# Altium PCB Bran_Main_Assay_PCB_v2_20170828.pcbdoc (part 5 of 5)
Units mm, origin at the board's own origin, x right, y up, seen from the top; angles counter-clockwise.
Board outline 91.65 x 48.25 mm, 6 copper layers (TOP, GND1, Singal, POWER, GND2, BOTTOM), stack 0.8 mm thick; 367 components, 288 nets, 1408 pads, 967 vias.
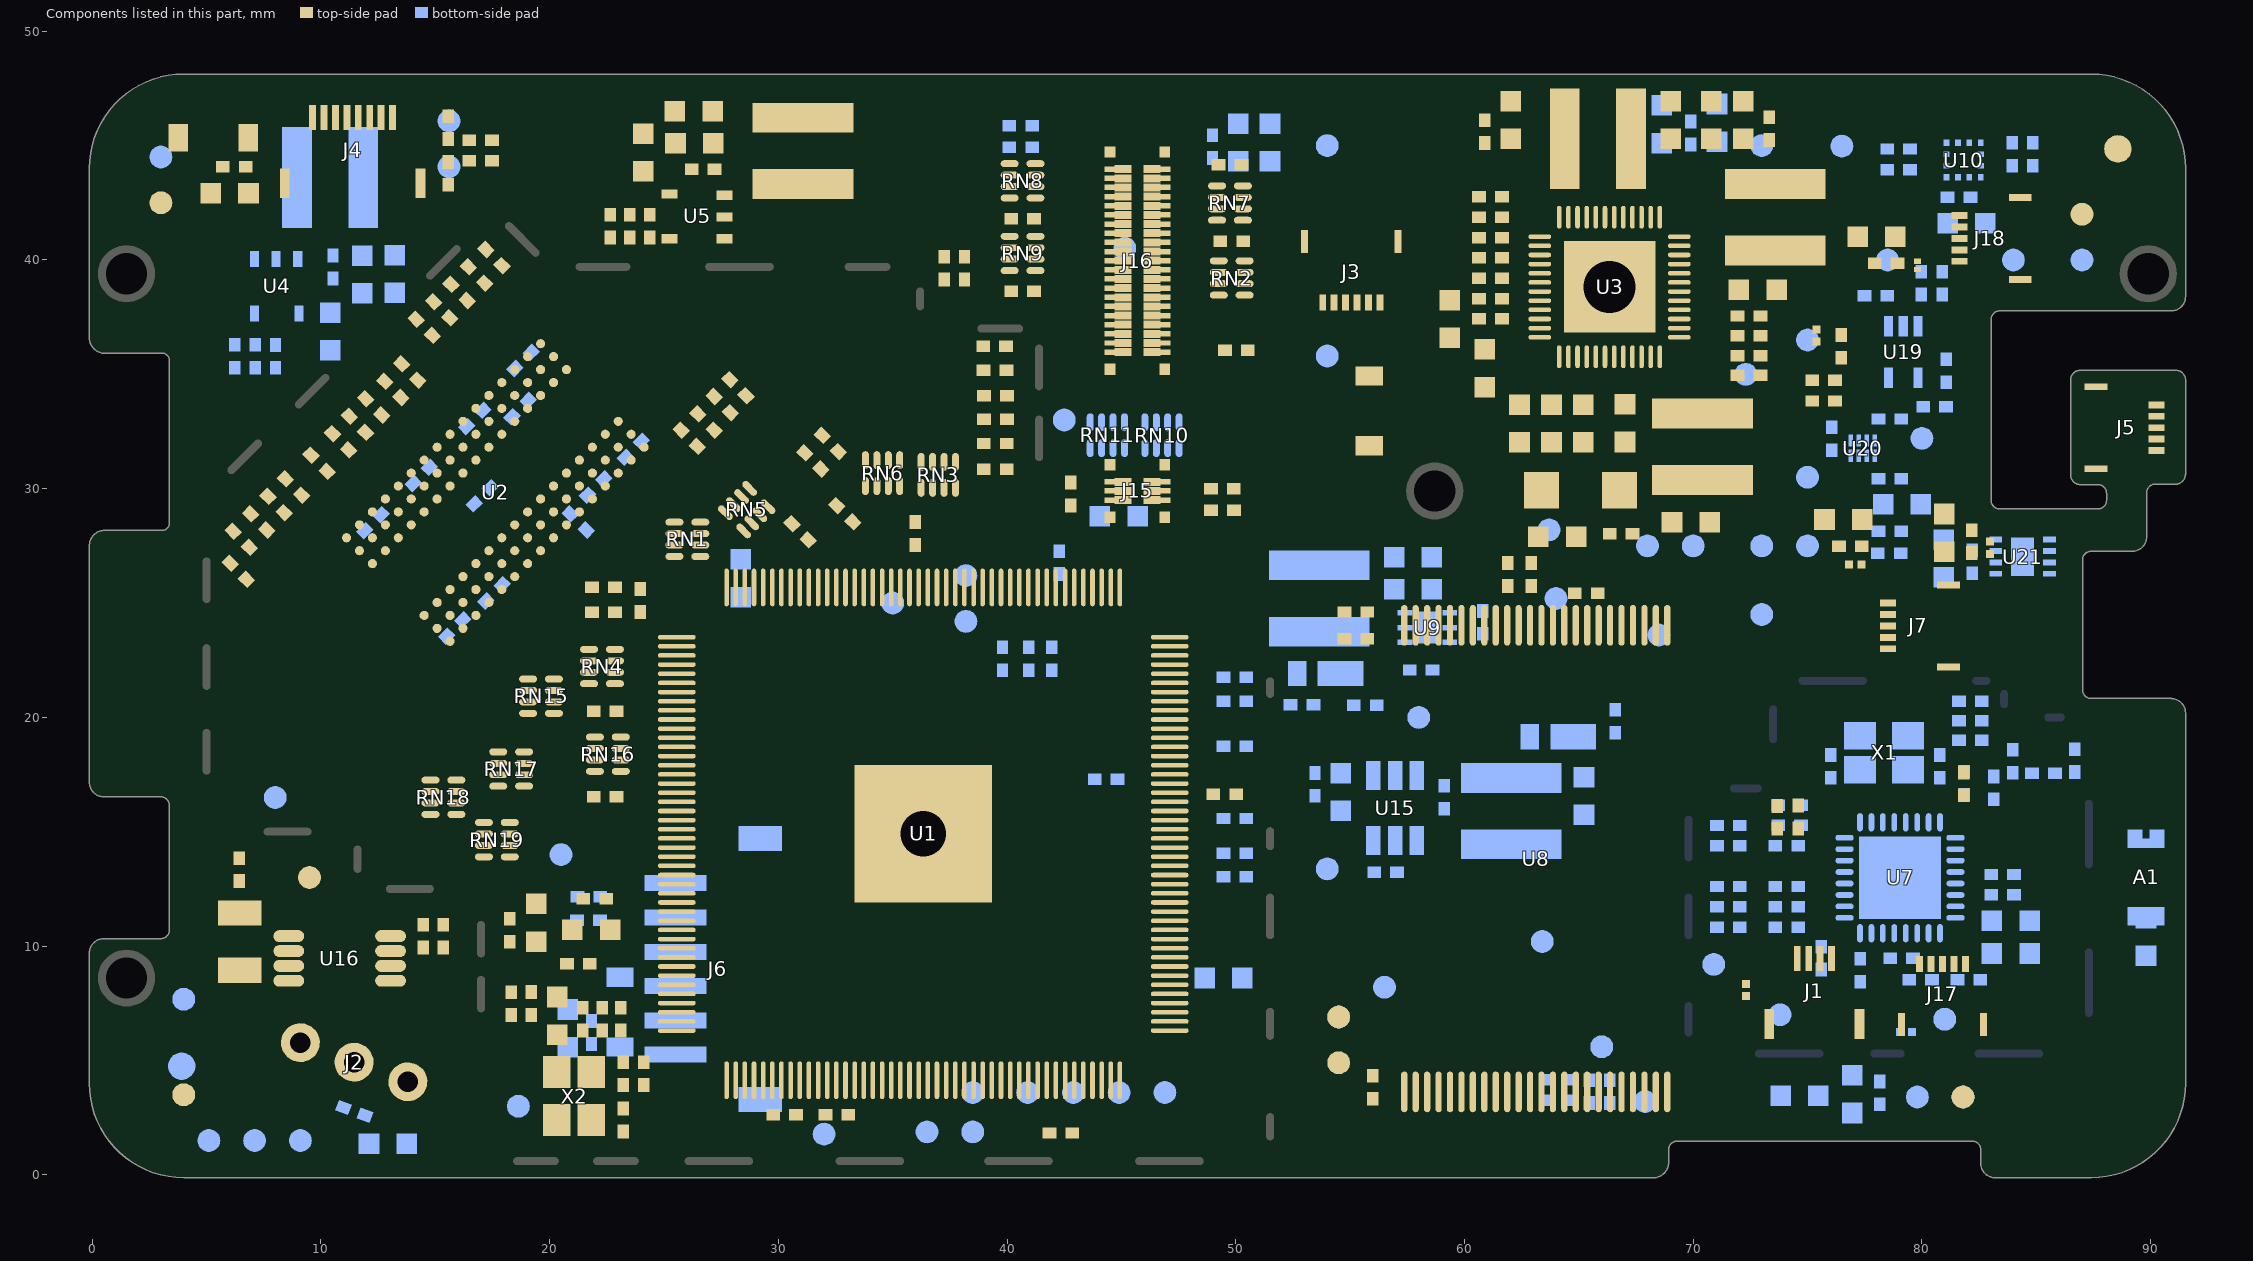
[diagram p9: the components of this part, seen from the top]

## Polygon pours and split planes (outlines as drawn) (continued)
BAT on POWER "Bottom Layer-No Net" (solid, remove dead copper, pour order 55): 53.814,18.186 54.347,18.186 54.398,18.186 54.88,17.704 58.513,14.071 59.579,14.071 61.815,14.071 62.983,15.24 63.262,15.519 63.262,17.754 63.262,20.294 63.288,20.32 63.313,20.345 63.72,20.345 64.71,20.345 64.761,20.294 64.659,20.193 64.659,13.995 64.659,13.944 63.288,12.573 63.11,12.751 57.039,12.751 57.039,14.706 53.61,18.135
BAT on POWER "Bottom Layer-No Net" (solid, pour order 59): 66.615,13.487 66.869,13.741 66.869,14.478 66.869,32.105 66.869,32.131 66.615,32.131 66.437,32.131 66.437,13.436 66.412,13.411
CORE-VDD on POWER "Bottom Layer-No Net" (solid, remove dead copper, pour order 61): 36.364,21.59 39.564,21.59 39.564,19.913 39.59,19.888 42.612,19.888 44.619,19.888 45.025,20.294 45.762,21.031 45.762,24.358 45.762,24.511 45.711,24.562 47.921,24.562 51.578,24.562 53.814,26.797 53.839,26.822 53.839,31.089 53.839,31.521 56.303,33.985 57.42,35.103 57.42,41.656 57.42,43.434 59.046,43.434 59.046,32.867 57.801,31.623 56.658,30.48 56.658,25.654 56.658,25.501 54.88,23.723 53.687,22.53 49.953,22.53 48.861,22.53 48.861,21.691 47.489,20.32 45.406,18.237 36.338,18.237
CORE-VDD on POWER "Bottom Layer-No Net" (solid, remove dead copper, pour order 63): 57.065,34.722 57.065,43.332 57.344,43.612 57.37,43.637 58.919,43.637 59.021,43.637 59.046,43.662
CORE-VDD on POWER "Bottom Layer-No Net" (solid, remove dead copper, pour order 67): 57.065,43.058 57.065,43.637 58.436,43.637 58.462,43.612 58.462,41.935 57.065,41.935
CORE-VDD on POWER "Bottom Layer-No Net" (solid, remove dead copper, pour order 69): 59.021,42.189 59.402,42.189 59.402,32.944 58.055,31.597 56.862,30.404 56.862,28.194 56.862,25.197 55.236,23.571 53.89,22.225 49.521,22.225 49.496,22.225 48.048,20.777 47.21,19.939 47.006,19.939 47.006,22.911 47.235,23.139 47.692,23.596 52.01,23.596 53.229,23.596 55.388,25.755 56.608,26.975 56.608,32.207 56.608,32.232 58.538,34.163 58.589,34.214 58.589,41.935
CORE-VDD on POWER "Bottom Layer-No Net" (solid, remove dead copper, pour order 73): 47.819,22.885 53.941,22.885 54.068,22.758 54.118,22.707 54.322,22.707 54.322,22.657 53.89,22.225 53.509,21.844 50.689,21.844 50.258,21.844 48.784,20.371 48.378,19.964 47.184,19.964 47.184,22.555 47.311,22.682 47.514,22.885 53.966,22.885
CPU-VDD on POWER "Bottom Layer-No Net" (solid, remove dead copper, pour order 75): 75.581,44.551 64.634,44.551 63.872,45.313 63.796,45.39 62.17,45.39 57.598,45.39 56.785,44.577 56.735,44.526 56.735,43.764 56.735,40.995 56.1,40.36 55.236,39.497 55.236,35.814 55.236,33.604 54.449,32.817 53.382,31.75 53.382,29.667 53.382,28.143 50.258,25.019 50.207,24.968 44.289,24.968 44.162,24.968 44.162,21.92 44.162,20.244 43.908,19.99 43.882,20.015 40.682,20.015 40.352,20.015 39.971,20.015 39.971,21.971 37.913,21.971 37.913,28.499 40.428,31.013 41.876,32.461 47.184,32.461 49.572,32.461 52.696,35.585 52.798,35.687 52.798,41.427 52.798,41.884 54.779,43.866 54.982,44.069 54.982,46.863 54.982,47.142 60.621,47.142 75.683,47.142 75.683,46.279 75.683,47.041 75.785,47.142 75.81,47.117 75.81,45.085 75.81,44.551
CPU-VDD on POWER "Bottom Layer-No Net" (solid, pour order 77): 52.798,41.529 52.163,41.529 52.163,39.065 52.163,36.296 50.486,34.62 49.597,33.731 41.952,33.731 41.926,33.731 41.901,33.706 41.901,31.851 51.045,31.851 51.578,32.385 53.534,34.341 53.534,35.509 53.534,41.249 53.61,41.326
CORE-VDD on POWER "Bottom Layer-No Net" (solid, pour order 79): 20.895,10.744 31.792,10.744 31.817,10.769 31.817,15.951 31.817,18.948 31.792,18.974 38.116,18.974 38.116,21.615 38.066,21.564 36.313,21.564 36.313,23.165 36.338,23.19 36.338,23.419 28.845,23.419 28.82,23.444 28.82,22.58 28.82,14.3 28.82,14.021 20.921,14.021
HPVCC on POWER "Bottom-No Net" (solid, remove dead copper, pour order 591): 78.041,46.482 78.092,46.431 86.194,46.431 86.194,43.106 86.2,43.1 81.006,43.1 81,43.094 81.013,43.081 81.013,41 78.087,41 78.041,41.046
GND on POWER "Bottom-No Net" (solid, remove dead copper, pour order 601): -3,50 90.5,50 92.1,48.4 92.1,2.1 88.8,-1.2 -2.5,-1.2 -4.7,1
GND on GND1 "Bottom-No Net" (solid, remove dead copper, pour order 595): -1.7,50.1 90.8,50.1 91.4,49.5 91.4,-0.7 90.6,-1.5 -0.7,-1.5 -3.1,0.9
GND on Singal "Bottom-No Net" (solid, remove dead copper, pour order 597): -1.1,49.5 89,49.5 92,46.5 92,0.5 90.8,-0.7 0.6,-0.7 -1.5,1.4
GND on GND2 "Bottom-No Net" (solid, remove dead copper, pour order 603): -1.9,49.6 90.7,49.6 92.9,47.4 92.9,1.9 89.9,-1.1 -0.4,-1.1 -3.4,1.9

## Keep-outs
Keep-Out Layer:
  lines w0.254: 0.499,16.656 3,16.656 cw(c2.987,16.142) 3.5,16.129 ; 0.499,16.66 cw(c0.499,17.158) 0,17.158 0,27.55 cw(c0.55,27.5) 0.6,28.05 3.1,28.05 ccw(c3.05,28.5) 3.5,28.55 3.5,35.55 ccw(c3.05,35.6) 3.1,36.05 0.6,36.05 cw(c0.55,36.6) 0,36.55 0,44 cw(c4,44) 4,48 87.4,48 cw(c87.4,44) 91.4,44 91.4,38.4 cw(c90.9,38.4) 90.9,37.9 83.4,37.9 ccw(c83.4,37.4) 82.9,37.4 82.9,29.49 ccw(c83.4,29.49) 83.4,28.99 87.7,28.99 ccw(c87.7,29.49) 88.2,29.49 88.2,29.8 ccw(c87.699,29.801) 87.7,30.302 86.975,30.302 ; 3.5,16.156 3.5,10.7 cw(c3,10.7) 3,10.2 0.527,10.2 ccw(c0.513,9.687) 0,9.7 0,4 ccw(c4,4) 4,0 68.2,0 ccw(c68.25,0.55) 68.8,0.5 68.8,1.1 cw(c69.3,1.1) 69.3,1.6 82.2,1.6 cw(c82.2,1.1) 82.7,1.1 82.7,0.5 ccw(c83.2,0.5) 83.2,0 87.4,0 ccw(c87.4,4) 91.4,4 91.4,20.2 ; 86.626,30.607 ccw(c86.926,30.607) 86.926,30.307 ; 86.627,30.632 86.627,34.752 cw(c86.927,34.752) 86.927,35.052 91.053,35.052 ; 90.9,20.698 cw(c90.9,20.198) 91.4,20.198 ; 90.9,20.7 87.4,20.7 cw(c87.4,21.2) 86.9,21.2 86.9,26.9 cw(c87.395,26.895) 87.4,27.39 89.2,27.39 ccw(c89.2,27.89) 89.7,27.89 89.7,29.8 cw(c90.214,29.814) 90.2,30.328 91.147,30.328 ; 91.097,30.328 ccw(c91.097,30.628) 91.397,30.628 ; 91.1,35.052 cw(c91.1,34.752) 91.4,34.752 91.4,30.632

## Other copper
TOP:
  rectangle net GND: 79.297,38.826 79.475,39.349
  rectangle net N497492: 66.978,42.629 67.743,44.534
  rectangle net DCIN-5V: 62.116,37.458 62.471,37.712
  rectangle net IPSOUT: 70.32,38.83 71.844,39.338
  rectangle net HPVCC: 47.434,43.917 48.552,44.907
  rectangle net HPVCC: 45.961,43.84 48.552,44.323
  rectangle net DCIN-5V: 55.058,34.366 56.582,35.128
  rectangle net IPSOUT: 66.768,34.036 67.123,35.255
  rectangle net GND: 83.793,38.938 85.063,42.901
  rectangle net GND: 79.374,38.826 79.958,39.7
  pour cut-out: 92.277,26.695 92.277,30.556 85.216,30.556 85.139,30.632 84.53,30.023 84.53,28.981 84.581,28.931 86.384,28.931 86.384,26.67
  pour cut-out: 92.277,26.681 92.277,30.542 85.216,30.542 85.139,30.618 84.53,30.009 84.53,28.967 84.581,28.916 86.384,28.916 86.384,26.656
  pour cut-out: 81.677,38.811 81.677,28.702 84.776,28.702 84.776,37.058 84.725,37.109 84.776,37.16 88.307,37.16 88.307,38.811
  pour cut-out: 91.939,35.814 84.624,35.814 84.522,35.712 84.548,35.687 84.548,28.931 92.192,28.931
  pour cut-out: 91.634,17.018 88.205,17.018 88.18,16.992 88.18,9.042 92.142,9.042
  region net IPSOUT: 63.297,36.833 63.293,36.829 63.293,36.83 62.687,36.83 62.687,35.382 62.382,35.077 62.382,32.69 60.249,32.69 60.249,33.756 61.519,33.756 61.519,36.906 62.255,36.906 62.738,37.389 62.738,37.554 62.75,37.566 63.297,37.566
  region net DCIN-5V: 61.265,37.719 62.001,37.719 62.128,37.795 62.128,38.049 62.23,38.125 62.23,38.379 63.297,38.379 63.297,37.693 62.611,37.693 62.611,37.49 62.332,37.135 61.265,37.135
  region net USBVBUS: 61.976,38.836 62.078,38.963 62.078,39.37 62.687,39.37 62.687,38.938 62.814,38.786 62.853,38.731 63.221,38.735 63.576,38.735 63.576,38.481 62.154,38.481 62.128,38.43 62.001,38.1 61.951,37.973 61.265,37.973 61.265,38.836
  region net VINT: 62.967,40.741 62.103,40.741 62.103,40.589 61.265,40.589 61.265,39.776 61.951,39.776 62.027,39.852 62.027,40.106 62.103,40.132 62.408,40.132 62.967,40.106
  region net BAT: 63.652,30.861 63.652,31.343 65.1,31.343 65.1,30.937 64.922,30.759 64.262,30.759 64.262,29.108 62.586,29.108 62.586,30.861
  region net BAT: 62.586,35.077 62.586,34.341 64.262,34.366 65.075,35.179 65.075,35.788 64.364,35.788 64.364,35.433 64.287,35.077
  region net WIFI_3V3: 65.557,35.585 65.557,35.001 65.151,34.595 64.77,34.188 64.719,33.198 65.811,33.198 65.811,34.391 65.913,34.595 65.938,35.585
  pour cut-out: 6.363,42.312 6.413,42.312 6.413,42.414 6.363,42.414
  pour cut-out: 62.749,37.565 62.748,37.564 62.748,36.874 63.249,36.874 63.293,36.829 63.293,37.612 62.871,37.612
  pour cut-out: 9.828,28.278 19.226,37.676 19.226,37.59 25.449,31.367 16.051,21.969 16.051,21.928
  pour cut-out: 9.828,28.278 19.14,37.59 19.226,37.59 25.449,31.367 16.051,21.969 16.051,21.928
  pour cut-out: 17.194,15.578 18.083,15.578 18.083,13.673 17.194,13.673
  pour cut-out: 25.449,28.786 25.703,28.532 27.735,28.532 27.735,23.579 27.862,23.452 24.306,23.452 24.306,25.992 24.143,26.155 24.143,28.675
  pour cut-out: 37.895,31.072 33.577,31.072 33.577,30.183 37.895,30.183
  pour cut-out: 33.577,30.183 29.132,30.183 24.179,25.23 22.274,25.23 14.527,32.977 20.496,38.946 24.814,38.946
  pour cut-out: 68.105,32.599 68.116,32.588 72.709,32.588 72.709,31.136 68.105,31.136
  pour cut-out: 71.28,42.565 75.85,42.565 75.884,42.599 75.884,41.169 71.28,41.169
  pour cut-out: 67.95,42.297 67.999,42.248 68.749,42.248 68.749,41.869 67.95,41.869
  pour cut-out: 33.464,45.51 33.464,44.062 33.439,44.037 28.74,44.037 28.74,45.485 28.715,45.51
  pour cut-out: 60.998,43.891 60.998,43.205 60.921,43.282 58.966,43.282 59.016,43.231 59.016,42.596 61.658,42.596 61.734,42.672 61.556,42.85 61.556,43.891
  pour cut-out: 22.111,44.779 22.109,44.78 21.412,44.78 21.412,43.942 21.59,43.764 21.869,43.764 21.869,44.526 22.098,44.755
  region net WIFI_3V3: 70.155,40.462 70.612,40.919 70.612,43.18 70.968,43.612 70.968,44.196 71.374,44.831 71.374,45.796 70.002,45.821 70.002,40.945 69.952,40.792 68.809,40.792 68.809,40.487 68.834,40.462
  region net CPU-VDD: 68.809,40.335 70.206,40.335 70.79,40.919 70.79,43.129 71.247,43.586 71.247,44.196 71.679,44.628 71.679,45.796 75.844,45.796 75.844,42.571 75.85,42.565 75.83,42.545 71.298,42.545 71.247,40.97 70.383,40.056 68.809,40.056
  pour cut-out: 75.82,41.105 76.09,41.105 76.098,41.097 76.098,41.224 75.743,41.224 75.717,41.249
  region net IPSOUT: 64.516,42.977 65.532,42.977 65.532,41.707 65.176,41.707 65.176,42.494 64.668,42.494 64.516,42.773
  pour cut-out: 79.297,43.663 86.079,43.663 86.079,38.755 79.297,38.755
Singal:
  pour cut-out: 92.277,26.695 92.277,30.556 85.216,30.556 85.139,30.632 84.53,30.023 84.53,28.981 84.581,28.931 86.384,28.931 86.384,26.67
  pour cut-out: 29.337,21.666 30.658,21.666 30.607,21.615 30.607,12.471 29.464,12.471 29.337,12.598
  pour cut-out: 91.634,17.043 88.205,17.043 88.18,17.018 88.18,9.068 92.142,9.068
  pour cut-out: 82.211,38.811 81.677,38.278 81.677,28.702 84.776,28.702 84.776,37.058 84.725,37.109 84.776,37.16 88.307,37.16 88.307,38.811
  pour cut-out: 81.013,43.129 85.077,43.129 85.077,38.755 81.013,38.755
POWER:
  rectangle net CORE-VDD: 44.822,19.71 45.838,24.485
  rectangle net CORE-VDD: 57.065,34.518 57.522,36.22
  rectangle net CPU-VDD: 56.379,45.11 62.577,45.618
  rectangle net CORE-VDD: 59.097,35.237 59.325,39.116
  pour cut-out: 92.277,26.695 92.277,30.556 85.216,30.556 85.139,30.632 84.53,30.023 84.53,28.981 84.581,28.931 86.384,28.931 86.384,26.67
  pour cut-out: 92.277,26.681 92.277,30.542 85.216,30.542 85.139,30.618 84.53,30.009 84.53,28.967 84.581,28.916 86.384,28.916 86.384,26.656
  pour cut-out: 62.039,33.63 61.988,33.68 61.988,35.357 66.713,35.357 66.738,35.331 66.713,35.306 66.713,34.188 68.186,34.188 68.237,34.239 68.287,34.188 71.589,34.188 71.589,33.655 71.462,33.528 71.285,33.706 61.988,33.706
  pour cut-out: 69.354,44.425 69.354,43.815 71.564,43.815 71.564,44.348 71.513,44.399
  pour cut-out: 69.456,43.078 69.456,39.675 71.437,39.675 71.462,39.7 71.361,39.802 71.361,42.977
  pour cut-out: 71.158,38.71 69.43,38.71 69.43,34.112 69.634,33.909 71.564,33.909 71.564,38.659 71.589,38.684
  pour cut-out: 63.588,44.577 68.186,44.577 68.211,44.552 68.211,43.942 63.588,43.942
  pour cut-out: 10.507,34.899 10.964,34.442 10.964,34.417 13.097,36.55 12.462,37.185 12.132,37.185 10.253,35.306
  pour cut-out: 55.063,42.672 55.058,42.667 55.058,41.554 55.033,41.529 52.747,41.529 52.747,42.24 52.772,42.265
  pour cut-out: 20.667,14.529 28.21,14.529 28.464,14.783 28.464,23.469 28.566,23.571 28.972,23.571 29.023,23.52 29.023,14.275 28.896,14.148 20.667,14.148
  pour cut-out: 40.386,31.623 40.792,31.623 40.792,30.835 40.03,30.073 39.218,30.073 39.218,30.302 39.167,30.353 40.386,31.572
  pour cut-out: 26.949,6.197 26.949,5.461 27,5.41 28.804,7.213 28.829,7.213 28.829,7.366 31.039,9.576 30.861,9.753 30.632,9.753
  pour cut-out: 91.634,17.043 88.205,17.043 88.18,17.018 88.18,9.068 92.142,9.068
  pour cut-out: 82.211,38.811 81.677,38.278 81.677,28.702 84.776,28.702 84.776,37.058 84.725,37.109 84.776,37.16 88.307,37.16 88.307,38.811
  pour cut-out: 81.013,43.129 85.077,43.129 85.077,38.755 81.013,38.755
GND1:
  pour cut-out: 92.277,26.695 92.277,30.556 85.216,30.556 85.139,30.632 84.53,30.023 84.53,28.981 84.581,28.931 86.384,28.931 86.384,26.67
  pour cut-out: 91.634,17.018 88.205,17.018 88.18,16.992 88.18,9.042 92.142,9.042
  pour cut-out: 82.211,38.811 81.677,38.278 81.677,28.702 84.776,28.702 84.776,37.058 84.725,37.109 84.776,37.16 88.307,37.16 88.307,38.811
  pour cut-out: 81.013,43.129 85.077,43.129 85.077,38.755 81.013,38.755
GND2:
  pour cut-out: 92.277,26.695 92.277,30.556 85.216,30.556 85.139,30.632 84.53,30.023 84.53,28.981 84.581,28.931 86.384,28.931 86.384,26.67
  pour cut-out: 91.634,17.018 88.205,17.018 88.18,16.992 88.18,9.042 92.142,9.042
  pour cut-out: 82.211,38.811 81.677,38.278 81.677,28.702 84.776,28.702 84.776,37.058 84.725,37.109 84.776,37.16 88.307,37.16 88.307,38.811
  pour cut-out: 81.013,43.129 85.077,43.129 85.077,38.755 81.013,38.755
BOTTOM:
  rectangle net GND: 80.415,39.218 81.355,40.869
  rectangle net USBVBUS: 53.509,43.993 54.55,45.567
  rectangle net IPSOUT: 61.002,20.675 61.51,22.25
  rectangle net VCC-WIFI-3V3: 81.982,12.446 82.566,13.817
  rectangle net BAT: 17.462,2.438 19.24,3.607
  rectangle net VCC-5V: 17.589,4.597 19.773,6.782
  rectangle net DCIN-5V: 53.378,35.23 55.257,36.322
  rectangle net USBVBUS: 53.153,42.773 54.597,44.78
  rectangle net VCC-5V: 57.213,19.406 58.712,20.599
  rectangle net DRAM-VCC: 6.032,15.824 8.75,17.094
  rectangle net CORE-VDD: 36.338,18.237 37.786,19.253
  pour cut-out: 92.277,26.695 92.277,30.556 85.216,30.556 85.139,30.632 84.53,30.023 84.53,28.981 84.581,28.931 86.384,28.931 86.384,26.67
  pour cut-out: 88.218,16.954 88.218,17.281 88.231,17.294 88.335,17.294 88.335,17.237 88.448,17.124 88.382,17.059 88.382,16.938
  pour cut-out: 63.767,18.563 63.767,19.731 63.716,19.782 63.69,19.757 63.69,18.563 63.665,18.538
  pour cut-out: 59.271,17.979 58.966,17.979 58.961,17.984 58.961,18.258 59.144,18.258 59.144,18.106 59.245,18.106 59.271,18.08
  pour cut-out: 63.767,18.563 63.767,18.004 63.462,18.004 63.462,18.106 63.69,18.106 63.665,18.131 63.665,18.563
  pour cut-out: 9.665,45.942 9.614,45.891 9.614,41.243 11.036,41.243 11.087,41.192 11.239,41.345 11.239,45.91
  pour cut-out: 59.276,26.307 59.55,26.307 59.55,26.167 59.276,26.167
  pour cut-out: 55.176,41.91 55.181,41.905 55.181,41.123 62.115,41.123 62.039,41.199 62.039,41.656
  pour cut-out: 89.932,16.967 89.932,14.275 89.958,14.249 89.983,14.275 90.644,14.275 90.644,17.018 90.669,16.992 91.482,16.992 91.482,9.042 91.456,9.017 90.339,9.017 90.339,10.058 89.297,10.058 89.297,8.966 89.259,9.004 88.218,9.004 88.218,16.954 88.205,16.967
  pour cut-out: 33.553,6.604 33.604,6.655 35.357,6.655 35.357,6.172 35.331,6.197 33.579,6.197
  pour cut-out: 82.211,38.811 81.677,38.278 81.677,28.702 84.776,28.702 84.776,37.058 84.725,37.109 84.776,37.16 88.307,37.16 88.307,38.811
  pour cut-out: 85.049,28.155 85.162,28.042 85.952,28.042 86.282,28.372 86.282,29.185 85.165,29.185 85.038,29.312
  pour cut-out: 85.843,27.396 85.851,27.389 85.851,25.019 87.171,25.019 87.222,25.07 87.222,27.915
  pour cut-out: 83.6,43.129 83.6,40.9 83.5,40.8 81.013,40.8 81.013,38.755 85.077,38.755 85.077,43.129

## Silkscreen, mask and mechanical layers (free items; w line width, h text height)
Silkscreen Top:
  lines w0.381: 5,17.2 5,15 7.2,15 ; 5,19.7 5,21 ; 5,23.4 5,24.8 ; 5,27.2 5,29.75 5.77,30.469 ; 7.591,32.287 8.757,33.376 ; 9.8,15 11.6,15 11.6,14.5 ; 10.436,35.186 14.472,39.04 ; 11.6,13 11.6,12.5 12.6,12.5 ; 15.2,12.5 17,12.5 17,11.3 ; 16.176,40.749 17.64,42.147 ; 17,7 17,0.6 18.2,0.6 ; 17,8.8 17,9.3 ; 17.664,42.132 17.926,41.858 ; 19.696,39.998 19.994,39.7 20.9,39.7 ; 20.6,0.6 21.6,0.6 ; 23.7,39.7 26.5,39.7 ; 24.2,0.6 25.6,0.6 ; 29.2,0.6 32.2,0.6 ; 30.1,39.7 32.6,39.7 ; 35.2,39.7 36.2,39.7 36.2,39 ; 35.8,0.6 38.8,0.6 ; 36.2,37 38.5,37 ; 36.2,37.022 36.2,37.6 ; 40.8,37 41.4,37 41.4,36.5 ; 41.4,31 41.4,27.45 51.5,27.45 51.5,22 ; 41.4,33.5 41.4,34.1 ; 42.3,0.6 45.3,0.6 ; 48.8,0.6 51.5,0.6 51.5,1.2 ; 51.5,3 51.5,5.7 ; 51.5,7.6 51.5,10.1 ; 51.5,12.5 51.5,14 ; 51.5,15.4 51.5,20.6
  text "11BRANMB10G-ClearGrass-2017/8/26-PVT" at 36.117,46.507 h1.27
  text "4#" at 19.342,1.676 h0.76 r90
Silkscreen Bottom:
  drawing of 636 lines, arcs and shapes, not listed
  text "4#" at 77.381,20.599 h0.76
  text "Danger! Electric" at 25.057,18.713 h0.76